# Altium PCB PCB2.PcbDoc (part 7 of 16)
Units mil, origin at the board's own origin, x right, y up, seen from the top; angles counter-clockwise.
Board outline 9200.79 x 4350.6 mil, 4 copper layers (Top Layer, Layer 1, Layer 2, Bottom Layer), stack 23.756 mil thick; 1249 components, 1355 nets, 4549 pads, 1316 vias.
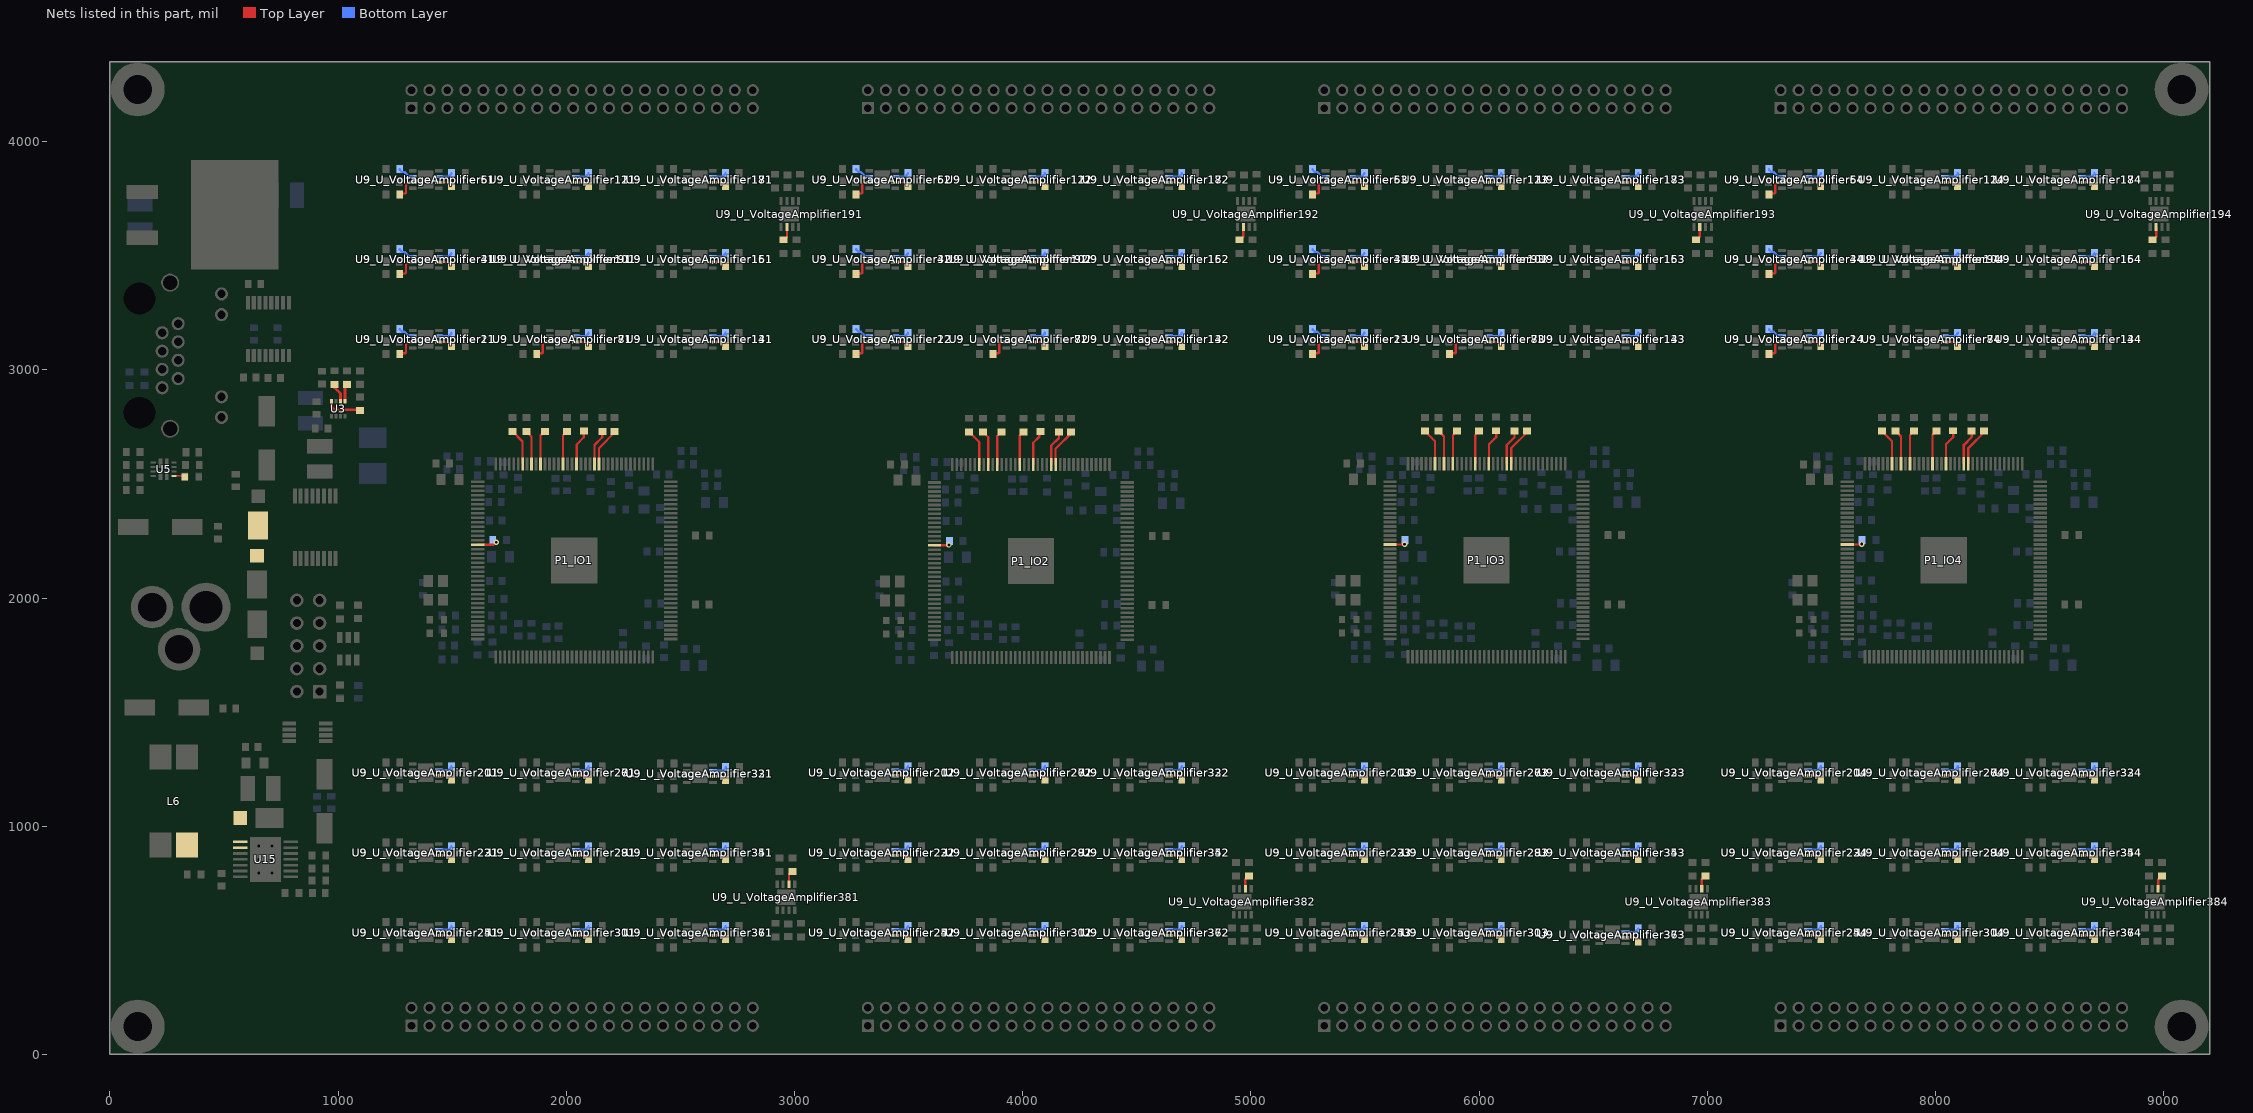
[diagram p9: the nets of this part, all layers, seen from the top]

## Via types
v1: diameter 24, hole 12, Top Layer to Bottom Layer, 1316 vias

## Nets (pads, with @x,y where several pads share a name; then routed paths per layer and width w, separated by ;. In a path a pad name is that pad's centre, name@x,y a point inside that pad or via, vN(x,y) a via of type N, cw(c..) or ccw(c..) an arc to the next point about the centre after c; other vN are vias at no path point) (continued)
NetD3_2: D3.2 U5.9 | length 47.8
  Top Layer w7: U5.9@280.66,2535.26 325.14,2535.26 D3.2@327.49,2537.61
NetD4_1: D4.1 D5.2
NetD7_2: D7.2 L6.2 U15.1 U15.2
NetP1_IO1_15: P1_IO1.15 R1_IO1.2 | length 85.1
  Top Layer w10: P1_IO1.15@1611.97,2233.43 1679.81,2233.43 1690.45,2244.07 v1(1692.67,2244.07)
NetP1_IO1_121: P1_IO1.121 R7_IO1.2 | length 174.1
  Top Layer w10: P1_IO1.121@2143,2587.29 2143,2656.32 2216.96,2730.29 R7_IO1.2@2217.46,2730.29
NetP1_IO1_122: P1_IO1.122 R6_IO1.2 | length 157.1
  Top Layer w10: P1_IO1.122@2123.31,2587.29 2123.31,2670 2157.46,2704.15 R6_IO1.2@2157.46,2730.29
NetP1_IO1_126: P1_IO1.126 R13_IO1.2 | length 158.2
  Top Layer w10: P1_IO1.126@2044.57,2587.29 2045.27,2587.99 2045.27,2672.88 2076.46,2704.07 R13_IO1.2@2076.46,2732.29
NetP1_IO1_129: P1_IO1.129 R5_IO1.2 | length 150
  Top Layer w10: P1_IO1.129@1985.51,2587.29 1985.51,2713.35 R5_IO1.2@2002.46,2730.29
NetP1_IO1_134: P1_IO1.134 R4_IO1.2 | length 150.6
  Top Layer w10: P1_IO1.134@1887.09,2587.29 1887.09,2711.92 R4_IO1.2@1905.46,2730.29
NetP1_IO1_136: P1_IO1.136 R3_IO1.2 | length 152.6
  Top Layer w10: R3_IO1.2@1824.46,2730.29 1847.72,2707.03 P1_IO1.136@1847.72,2587.29
NetP1_IO1_138: P1_IO1.138 R2_IO1.2 | length 161.2
  Top Layer w10: R2_IO1.2@1764.46,2730.29 1808.35,2686.4 P1_IO1.138@1808.35,2587.29
NetP1_IO2_15: P1_IO2.15 R1_IO2.2 | length 64.2
  Top Layer w10: P1_IO2.15@3613.07,2230.83 3674.81,2230.83 v1(3676.56,2232.58)
NetP1_IO2_121: P1_IO2.121 R7_IO2.2 | length 174.1
  Top Layer w10: P1_IO2.121@4144.1,2584.69 4144.1,2653.72 4218.06,2727.69 R7_IO2.2@4218.56,2727.69
NetP1_IO2_122: P1_IO2.122 R6_IO2.2 | length 157.1
  Top Layer w10: P1_IO2.122@4124.41,2584.69 4124.41,2667.4 4158.56,2701.55 R6_IO2.2@4158.56,2727.69
NetP1_IO2_126: P1_IO2.126 R13_IO2.2 | length 158.2
  Top Layer w10: P1_IO2.126@4045.67,2584.69 4046.37,2585.39 4046.37,2680.1 4071.82,2705.55 4071.82,2723.95 R13_IO2.2@4077.56,2729.69
NetP1_IO2_129: P1_IO2.129 R5_IO2.2 | length 150
  Top Layer w10: P1_IO2.129@3986.61,2584.69 3986.61,2710.75 R5_IO2.2@4003.56,2727.69
NetP1_IO2_134: P1_IO2.134 R4_IO2.2 | length 150.6
  Top Layer w10: P1_IO2.134@3888.19,2584.69 3888.19,2709.32 R4_IO2.2@3906.56,2727.69
NetP1_IO2_136: P1_IO2.136 R3_IO2.2 | length 152.6
  Top Layer w10: R3_IO2.2@3825.56,2727.69 3848.82,2704.43 P1_IO2.136@3848.82,2584.69
NetP1_IO2_138: P1_IO2.138 R2_IO2.2 | length 161.2
  Top Layer w10: R2_IO2.2@3765.56,2727.69 3809.45,2683.8 P1_IO2.138@3809.45,2584.69
NetP1_IO3_15: P1_IO3.15 R1_IO3.2 | length 64.2
  Top Layer w10: P1_IO3.15@5609.97,2234.28 5671.71,2234.28 v1(5673.46,2236.03)
NetP1_IO3_121: P1_IO3.121 R7_IO3.2 | length 174.1
  Top Layer w10: P1_IO3.121@6141,2588.14 6141,2657.17 6214.96,2731.14 R7_IO3.2@6215.46,2731.14
NetP1_IO3_122: P1_IO3.122 R6_IO3.2 | length 157.1
  Top Layer w10: P1_IO3.122@6121.31,2588.14 6121.31,2670.85 6155.46,2705 R6_IO3.2@6155.46,2731.14
NetP1_IO3_126: P1_IO3.126 R13_IO3.2 | length 158.2
  Top Layer w10: P1_IO3.126@6042.57,2588.14 6043.27,2588.84 6043.27,2673.73 6074.46,2704.92 R13_IO3.2@6074.46,2733.14
NetP1_IO3_129: P1_IO3.129 R5_IO3.2 | length 150
  Top Layer w10: P1_IO3.129@5983.51,2588.14 5983.51,2714.2 R5_IO3.2@6000.46,2731.14
NetP1_IO3_134: P1_IO3.134 R4_IO3.2 | length 150.6
  Top Layer w10: P1_IO3.134@5885.09,2588.14 5885.09,2712.77 R4_IO3.2@5903.46,2731.14
NetP1_IO3_136: P1_IO3.136 R3_IO3.2 | length 152.6
  Top Layer w10: R3_IO3.2@5822.46,2731.14 5845.72,2707.88 P1_IO3.136@5845.72,2588.14
NetP1_IO3_138: P1_IO3.138 R2_IO3.2 | length 161.2
  Top Layer w10: R2_IO3.2@5762.46,2731.14 5806.35,2687.25 P1_IO3.138@5806.35,2588.14
NetP1_IO4_15: P1_IO4.15 R1_IO4.2 | length 64.2
  Top Layer w10: P1_IO4.15@7612.97,2234.43 7674.71,2234.43 v1(7676.46,2236.18)
NetP1_IO4_121: P1_IO4.121 R7_IO4.2 | length 174.1
  Top Layer w10: P1_IO4.121@8144,2588.29 8144,2657.32 8217.96,2731.29 R7_IO4.2@8218.46,2731.29
NetP1_IO4_122: P1_IO4.122 R6_IO4.2 | length 157.1
  Top Layer w10: P1_IO4.122@8124.31,2588.29 8124.31,2671 8158.46,2705.15 R6_IO4.2@8158.46,2731.29
NetP1_IO4_126: P1_IO4.126 R13_IO4.2 | length 158.2
  Top Layer w10: P1_IO4.126@8045.57,2588.29 8046.27,2588.99 8046.27,2673.88 8077.46,2705.07 R13_IO4.2@8077.46,2733.29
NetP1_IO4_129: P1_IO4.129 R5_IO4.2 | length 150
  Top Layer w10: P1_IO4.129@7986.51,2588.29 7986.51,2714.35 R5_IO4.2@8003.46,2731.29
NetP1_IO4_134: P1_IO4.134 R4_IO4.2 | length 150.6
  Top Layer w10: P1_IO4.134@7888.09,2588.29 7888.09,2712.92 R4_IO4.2@7906.46,2731.29
NetP1_IO4_136: P1_IO4.136 R3_IO4.2 | length 152.6
  Top Layer w10: R3_IO4.2@7825.46,2731.29 7848.72,2708.03 P1_IO4.136@7848.72,2588.29
NetP1_IO4_138: P1_IO4.138 R2_IO4.2 | length 161.2
  Top Layer w10: R2_IO4.2@7765.46,2731.29 7809.35,2687.4 P1_IO4.138@7809.35,2588.29
NetR15_1: R15.1 U3.6 | length 84.2
  Top Layer w12: R15.1@984.15,2935.99 984.15,2921.92 1010.67,2895.39 U3.6@1010.67,2862.77
NetR16_1: R16.1 U3.5 | length 76.9
  Top Layer w12: U3.5@1030.36,2862.77 1030.36,2927.09 R16.1@1039.26,2935.99
NetR17_2: R17.2 U3.8 | length 155.6
  Top Layer w12: U3.8@971.3,2862.77 971.26,2862.73 971.26,2837.83 983.72,2825.37 1091.08,2825.37 R17.2@1095.06,2821.39
NetR26_U_VoltageAmplifier11_2: R26_U_VoltageAmplifier11.2 U9_U_VoltageAmplifier11.2 | length 63.9
  Top Layer w10: U9_U_VoltageAmplifier11.2@1441.26,3121.18 1483.59,3121.18 1497.09,3107.68 R26_U_VoltageAmplifier11.2@1497.09,3105.18
NetR26_U_VoltageAmplifier12_2: R26_U_VoltageAmplifier12.2 U9_U_VoltageAmplifier12.2 | length 63.9
  Top Layer w10: U9_U_VoltageAmplifier12.2@3441.26,3121.18 3483.59,3121.18 3497.09,3107.68 R26_U_VoltageAmplifier12.2@3497.09,3105.18
NetR26_U_VoltageAmplifier13_2: R26_U_VoltageAmplifier13.2 U9_U_VoltageAmplifier13.2 | length 63.9
  Top Layer w10: U9_U_VoltageAmplifier13.2@5441.26,3121.18 5483.59,3121.18 5497.09,3107.68 R26_U_VoltageAmplifier13.2@5497.09,3105.18
NetR26_U_VoltageAmplifier14_2: R26_U_VoltageAmplifier14.2 U9_U_VoltageAmplifier14.2 | length 63.9
  Top Layer w10: U9_U_VoltageAmplifier14.2@7441.26,3121.18 7483.59,3121.18 7497.09,3107.68 R26_U_VoltageAmplifier14.2@7497.09,3105.18
NetR26_U_VoltageAmplifier21_2: R26_U_VoltageAmplifier21.2 U9_U_VoltageAmplifier21.2 | length 63.7
  Bottom Layer w10: U9_U_VoltageAmplifier21.2@1441.26,3146.77 1484.18,3146.77 1497.09,3159.68 R26_U_VoltageAmplifier21.2@1497.09,3162.18
NetR26_U_VoltageAmplifier22_2: R26_U_VoltageAmplifier22.2 U9_U_VoltageAmplifier22.2 | length 63.7
  Bottom Layer w10: U9_U_VoltageAmplifier22.2@3441.26,3146.77 3484.18,3146.77 3497.09,3159.68 R26_U_VoltageAmplifier22.2@3497.09,3162.18
NetR26_U_VoltageAmplifier23_2: R26_U_VoltageAmplifier23.2 U9_U_VoltageAmplifier23.2 | length 63.7
  Bottom Layer w10: U9_U_VoltageAmplifier23.2@5441.26,3146.77 5484.18,3146.77 5497.09,3159.68 R26_U_VoltageAmplifier23.2@5497.09,3162.18
NetR26_U_VoltageAmplifier24_2: R26_U_VoltageAmplifier24.2 U9_U_VoltageAmplifier24.2 | length 63.7
  Bottom Layer w10: U9_U_VoltageAmplifier24.2@7441.26,3146.77 7484.18,3146.77 7497.09,3159.68 R26_U_VoltageAmplifier24.2@7497.09,3162.18
NetR26_U_VoltageAmplifier31_2: R26_U_VoltageAmplifier31.2 U9_U_VoltageAmplifier31.2 | length 63.9
  Top Layer w10: U9_U_VoltageAmplifier31.2@1441.26,3471.18 1483.59,3471.18 1497.09,3457.68 R26_U_VoltageAmplifier31.2@1497.09,3455.18
NetR26_U_VoltageAmplifier32_2: R26_U_VoltageAmplifier32.2 U9_U_VoltageAmplifier32.2 | length 63.9
  Top Layer w10: U9_U_VoltageAmplifier32.2@3441.26,3471.18 3483.59,3471.18 3497.09,3457.68 R26_U_VoltageAmplifier32.2@3497.09,3455.18
NetR26_U_VoltageAmplifier33_2: R26_U_VoltageAmplifier33.2 U9_U_VoltageAmplifier33.2 | length 63.9
  Top Layer w10: U9_U_VoltageAmplifier33.2@5441.26,3471.18 5483.59,3471.18 5497.09,3457.68 R26_U_VoltageAmplifier33.2@5497.09,3455.18
NetR26_U_VoltageAmplifier34_2: R26_U_VoltageAmplifier34.2 U9_U_VoltageAmplifier34.2 | length 63.9
  Top Layer w10: U9_U_VoltageAmplifier34.2@7441.26,3471.18 7483.59,3471.18 7497.09,3457.68 R26_U_VoltageAmplifier34.2@7497.09,3455.18
NetR26_U_VoltageAmplifier41_2: R26_U_VoltageAmplifier41.2 U9_U_VoltageAmplifier41.2 | length 63.7
  Bottom Layer w10: U9_U_VoltageAmplifier41.2@1441.26,3496.77 1484.18,3496.77 1497.09,3509.68 R26_U_VoltageAmplifier41.2@1497.09,3512.18
NetR26_U_VoltageAmplifier42_2: R26_U_VoltageAmplifier42.2 U9_U_VoltageAmplifier42.2 | length 63.7
  Bottom Layer w10: U9_U_VoltageAmplifier42.2@3441.26,3496.77 3484.18,3496.77 3497.09,3509.68 R26_U_VoltageAmplifier42.2@3497.09,3512.18
NetR26_U_VoltageAmplifier43_2: R26_U_VoltageAmplifier43.2 U9_U_VoltageAmplifier43.2 | length 63.7
  Bottom Layer w10: U9_U_VoltageAmplifier43.2@5441.26,3496.77 5484.18,3496.77 5497.09,3509.68 R26_U_VoltageAmplifier43.2@5497.09,3512.18
NetR26_U_VoltageAmplifier44_2: R26_U_VoltageAmplifier44.2 U9_U_VoltageAmplifier44.2 | length 63.7
  Bottom Layer w10: U9_U_VoltageAmplifier44.2@7441.26,3496.77 7484.18,3496.77 7497.09,3509.68 R26_U_VoltageAmplifier44.2@7497.09,3512.18
NetR26_U_VoltageAmplifier51_2: R26_U_VoltageAmplifier51.2 U9_U_VoltageAmplifier51.2 | length 63.9
  Top Layer w10: U9_U_VoltageAmplifier51.2@1441.26,3821.18 1483.59,3821.18 1497.09,3807.68 R26_U_VoltageAmplifier51.2@1497.09,3805.18
NetR26_U_VoltageAmplifier52_2: R26_U_VoltageAmplifier52.2 U9_U_VoltageAmplifier52.2 | length 63.9
  Top Layer w10: U9_U_VoltageAmplifier52.2@3441.26,3821.18 3483.59,3821.18 3497.09,3807.68 R26_U_VoltageAmplifier52.2@3497.09,3805.18
NetR26_U_VoltageAmplifier53_2: R26_U_VoltageAmplifier53.2 U9_U_VoltageAmplifier53.2 | length 63.9
  Top Layer w10: U9_U_VoltageAmplifier53.2@5441.26,3821.18 5483.59,3821.18 5497.09,3807.68 R26_U_VoltageAmplifier53.2@5497.09,3805.18
NetR26_U_VoltageAmplifier54_2: R26_U_VoltageAmplifier54.2 U9_U_VoltageAmplifier54.2 | length 63.9
  Top Layer w10: U9_U_VoltageAmplifier54.2@7441.26,3821.18 7483.59,3821.18 7497.09,3807.68 R26_U_VoltageAmplifier54.2@7497.09,3805.18
NetR26_U_VoltageAmplifier61_2: R26_U_VoltageAmplifier61.2 U9_U_VoltageAmplifier61.2 | length 63.7
  Bottom Layer w10: U9_U_VoltageAmplifier61.2@1441.26,3846.77 1484.18,3846.77 1497.09,3859.68 R26_U_VoltageAmplifier61.2@1497.09,3862.18
NetR26_U_VoltageAmplifier62_2: R26_U_VoltageAmplifier62.2 U9_U_VoltageAmplifier62.2 | length 63.7
  Bottom Layer w10: U9_U_VoltageAmplifier62.2@3441.26,3846.77 3484.18,3846.77 3497.09,3859.68 R26_U_VoltageAmplifier62.2@3497.09,3862.18
NetR26_U_VoltageAmplifier63_2: R26_U_VoltageAmplifier63.2 U9_U_VoltageAmplifier63.2 | length 63.7
  Bottom Layer w10: U9_U_VoltageAmplifier63.2@5441.26,3846.77 5484.18,3846.77 5497.09,3859.68 R26_U_VoltageAmplifier63.2@5497.09,3862.18
NetR26_U_VoltageAmplifier64_2: R26_U_VoltageAmplifier64.2 U9_U_VoltageAmplifier64.2 | length 63.7
  Bottom Layer w10: U9_U_VoltageAmplifier64.2@7441.26,3846.77 7484.18,3846.77 7497.09,3859.68 R26_U_VoltageAmplifier64.2@7497.09,3862.18
NetR26_U_VoltageAmplifier71_2: R26_U_VoltageAmplifier71.2 U9_U_VoltageAmplifier71.2 | length 63.9
  Top Layer w10: U9_U_VoltageAmplifier71.2@2041.26,3121.18 2083.59,3121.18 2097.09,3107.68 R26_U_VoltageAmplifier71.2@2097.09,3105.18
NetR26_U_VoltageAmplifier72_2: R26_U_VoltageAmplifier72.2 U9_U_VoltageAmplifier72.2 | length 63.9
  Top Layer w10: U9_U_VoltageAmplifier72.2@4041.26,3121.18 4083.59,3121.18 4097.09,3107.68 R26_U_VoltageAmplifier72.2@4097.09,3105.18
NetR26_U_VoltageAmplifier73_2: R26_U_VoltageAmplifier73.2 U9_U_VoltageAmplifier73.2 | length 63.9
  Top Layer w10: U9_U_VoltageAmplifier73.2@6041.26,3121.18 6083.59,3121.18 6097.09,3107.68 R26_U_VoltageAmplifier73.2@6097.09,3105.18
NetR26_U_VoltageAmplifier74_2: R26_U_VoltageAmplifier74.2 U9_U_VoltageAmplifier74.2 | length 63.9
  Top Layer w10: U9_U_VoltageAmplifier74.2@8041.26,3121.18 8083.59,3121.18 8097.09,3107.68 R26_U_VoltageAmplifier74.2@8097.09,3105.18
NetR26_U_VoltageAmplifier81_2: R26_U_VoltageAmplifier81.2 U9_U_VoltageAmplifier81.2 | length 63.7
  Bottom Layer w10: U9_U_VoltageAmplifier81.2@2041.26,3146.77 2084.18,3146.77 2097.09,3159.68 R26_U_VoltageAmplifier81.2@2097.09,3162.18
NetR26_U_VoltageAmplifier82_2: R26_U_VoltageAmplifier82.2 U9_U_VoltageAmplifier82.2 | length 63.7
  Bottom Layer w10: U9_U_VoltageAmplifier82.2@4041.26,3146.77 4084.18,3146.77 4097.09,3159.68 R26_U_VoltageAmplifier82.2@4097.09,3162.18
NetR26_U_VoltageAmplifier83_2: R26_U_VoltageAmplifier83.2 U9_U_VoltageAmplifier83.2 | length 63.7
  Bottom Layer w10: U9_U_VoltageAmplifier83.2@6041.26,3146.77 6084.18,3146.77 6097.09,3159.68 R26_U_VoltageAmplifier83.2@6097.09,3162.18
NetR26_U_VoltageAmplifier84_2: R26_U_VoltageAmplifier84.2 U9_U_VoltageAmplifier84.2 | length 63.7
  Bottom Layer w10: U9_U_VoltageAmplifier84.2@8041.26,3146.77 8084.18,3146.77 8097.09,3159.68 R26_U_VoltageAmplifier84.2@8097.09,3162.18
NetR26_U_VoltageAmplifier91_2: R26_U_VoltageAmplifier91.2 U9_U_VoltageAmplifier91.2 | length 63.9
  Top Layer w10: U9_U_VoltageAmplifier91.2@2041.26,3471.18 2083.59,3471.18 2097.09,3457.68 R26_U_VoltageAmplifier91.2@2097.09,3455.18
NetR26_U_VoltageAmplifier92_2: R26_U_VoltageAmplifier92.2 U9_U_VoltageAmplifier92.2 | length 63.9
  Top Layer w10: U9_U_VoltageAmplifier92.2@4041.26,3471.18 4083.59,3471.18 4097.09,3457.68 R26_U_VoltageAmplifier92.2@4097.09,3455.18
NetR26_U_VoltageAmplifier93_2: R26_U_VoltageAmplifier93.2 U9_U_VoltageAmplifier93.2 | length 63.9
  Top Layer w10: U9_U_VoltageAmplifier93.2@6041.26,3471.18 6083.59,3471.18 6097.09,3457.68 R26_U_VoltageAmplifier93.2@6097.09,3455.18
NetR26_U_VoltageAmplifier94_2: R26_U_VoltageAmplifier94.2 U9_U_VoltageAmplifier94.2 | length 63.9
  Top Layer w10: U9_U_VoltageAmplifier94.2@8041.26,3471.18 8083.59,3471.18 8097.09,3457.68 R26_U_VoltageAmplifier94.2@8097.09,3455.18
NetR26_U_VoltageAmplifier101_2: R26_U_VoltageAmplifier101.2 U9_U_VoltageAmplifier101.2 | length 63.7
  Bottom Layer w10: U9_U_VoltageAmplifier101.2@2041.26,3496.77 2084.18,3496.77 2097.09,3509.68 R26_U_VoltageAmplifier101.2@2097.09,3512.18
NetR26_U_VoltageAmplifier102_2: R26_U_VoltageAmplifier102.2 U9_U_VoltageAmplifier102.2 | length 63.7
  Bottom Layer w10: U9_U_VoltageAmplifier102.2@4041.26,3496.77 4084.18,3496.77 4097.09,3509.68 R26_U_VoltageAmplifier102.2@4097.09,3512.18
NetR26_U_VoltageAmplifier103_2: R26_U_VoltageAmplifier103.2 U9_U_VoltageAmplifier103.2 | length 63.7
  Bottom Layer w10: U9_U_VoltageAmplifier103.2@6041.26,3496.77 6084.18,3496.77 6097.09,3509.68 R26_U_VoltageAmplifier103.2@6097.09,3512.18
NetR26_U_VoltageAmplifier104_2: R26_U_VoltageAmplifier104.2 U9_U_VoltageAmplifier104.2 | length 63.7
  Bottom Layer w10: U9_U_VoltageAmplifier104.2@8041.26,3496.77 8084.18,3496.77 8097.09,3509.68 R26_U_VoltageAmplifier104.2@8097.09,3512.18
NetR26_U_VoltageAmplifier111_2: R26_U_VoltageAmplifier111.2 U9_U_VoltageAmplifier111.2 | length 63.9
  Top Layer w10: U9_U_VoltageAmplifier111.2@2041.26,3821.18 2083.59,3821.18 2097.09,3807.68 R26_U_VoltageAmplifier111.2@2097.09,3805.18
NetR26_U_VoltageAmplifier112_2: R26_U_VoltageAmplifier112.2 U9_U_VoltageAmplifier112.2 | length 63.9
  Top Layer w10: U9_U_VoltageAmplifier112.2@4041.26,3821.18 4083.59,3821.18 4097.09,3807.68 R26_U_VoltageAmplifier112.2@4097.09,3805.18
NetR26_U_VoltageAmplifier113_2: R26_U_VoltageAmplifier113.2 U9_U_VoltageAmplifier113.2 | length 63.9
  Top Layer w10: U9_U_VoltageAmplifier113.2@6041.26,3821.18 6083.59,3821.18 6097.09,3807.68 R26_U_VoltageAmplifier113.2@6097.09,3805.18
NetR26_U_VoltageAmplifier114_2: R26_U_VoltageAmplifier114.2 U9_U_VoltageAmplifier114.2 | length 63.9
  Top Layer w10: U9_U_VoltageAmplifier114.2@8041.26,3821.18 8083.59,3821.18 8097.09,3807.68 R26_U_VoltageAmplifier114.2@8097.09,3805.18
NetR26_U_VoltageAmplifier121_2: R26_U_VoltageAmplifier121.2 U9_U_VoltageAmplifier121.2 | length 63.7
  Bottom Layer w10: U9_U_VoltageAmplifier121.2@2041.26,3846.77 2084.18,3846.77 2097.09,3859.68 R26_U_VoltageAmplifier121.2@2097.09,3862.18
NetR26_U_VoltageAmplifier122_2: R26_U_VoltageAmplifier122.2 U9_U_VoltageAmplifier122.2 | length 63.7
  Bottom Layer w10: U9_U_VoltageAmplifier122.2@4041.26,3846.77 4084.18,3846.77 4097.09,3859.68 R26_U_VoltageAmplifier122.2@4097.09,3862.18
NetR26_U_VoltageAmplifier123_2: R26_U_VoltageAmplifier123.2 U9_U_VoltageAmplifier123.2 | length 63.7
  Bottom Layer w10: U9_U_VoltageAmplifier123.2@6041.26,3846.77 6084.18,3846.77 6097.09,3859.68 R26_U_VoltageAmplifier123.2@6097.09,3862.18
NetR26_U_VoltageAmplifier124_2: R26_U_VoltageAmplifier124.2 U9_U_VoltageAmplifier124.2 | length 63.7
  Bottom Layer w10: U9_U_VoltageAmplifier124.2@8041.26,3846.77 8084.18,3846.77 8097.09,3859.68 R26_U_VoltageAmplifier124.2@8097.09,3862.18
NetR26_U_VoltageAmplifier131_2: R26_U_VoltageAmplifier131.2 U9_U_VoltageAmplifier131.2 | length 63.9
  Top Layer w10: U9_U_VoltageAmplifier131.2@2641.26,3121.18 2683.59,3121.18 2697.09,3107.68 R26_U_VoltageAmplifier131.2@2697.09,3105.18
NetR26_U_VoltageAmplifier132_2: R26_U_VoltageAmplifier132.2 U9_U_VoltageAmplifier132.2 | length 63.9
  Top Layer w10: U9_U_VoltageAmplifier132.2@4641.26,3121.18 4683.59,3121.18 4697.09,3107.68 R26_U_VoltageAmplifier132.2@4697.09,3105.18
NetR26_U_VoltageAmplifier133_2: R26_U_VoltageAmplifier133.2 U9_U_VoltageAmplifier133.2 | length 63.9
  Top Layer w10: U9_U_VoltageAmplifier133.2@6641.26,3121.18 6683.59,3121.18 6697.09,3107.68 R26_U_VoltageAmplifier133.2@6697.09,3105.18
NetR26_U_VoltageAmplifier134_2: R26_U_VoltageAmplifier134.2 U9_U_VoltageAmplifier134.2 | length 63.9
  Top Layer w10: U9_U_VoltageAmplifier134.2@8641.26,3121.18 8683.59,3121.18 8697.09,3107.68 R26_U_VoltageAmplifier134.2@8697.09,3105.18
NetR26_U_VoltageAmplifier141_2: R26_U_VoltageAmplifier141.2 U9_U_VoltageAmplifier141.2 | length 63.7
  Bottom Layer w10: U9_U_VoltageAmplifier141.2@2641.26,3146.77 2684.18,3146.77 2697.09,3159.68 R26_U_VoltageAmplifier141.2@2697.09,3162.18
NetR26_U_VoltageAmplifier142_2: R26_U_VoltageAmplifier142.2 U9_U_VoltageAmplifier142.2 | length 63.7
  Bottom Layer w10: U9_U_VoltageAmplifier142.2@4641.26,3146.77 4684.18,3146.77 4697.09,3159.68 R26_U_VoltageAmplifier142.2@4697.09,3162.18
NetR26_U_VoltageAmplifier143_2: R26_U_VoltageAmplifier143.2 U9_U_VoltageAmplifier143.2 | length 63.7
  Bottom Layer w10: U9_U_VoltageAmplifier143.2@6641.26,3146.77 6684.18,3146.77 6697.09,3159.68 R26_U_VoltageAmplifier143.2@6697.09,3162.18
NetR26_U_VoltageAmplifier144_2: R26_U_VoltageAmplifier144.2 U9_U_VoltageAmplifier144.2 | length 63.7
  Bottom Layer w10: U9_U_VoltageAmplifier144.2@8641.26,3146.77 8684.18,3146.77 8697.09,3159.68 R26_U_VoltageAmplifier144.2@8697.09,3162.18
NetR26_U_VoltageAmplifier151_2: R26_U_VoltageAmplifier151.2 U9_U_VoltageAmplifier151.2 | length 63.9
  Top Layer w10: U9_U_VoltageAmplifier151.2@2641.26,3471.18 2683.59,3471.18 2697.09,3457.68 R26_U_VoltageAmplifier151.2@2697.09,3455.18
NetR26_U_VoltageAmplifier152_2: R26_U_VoltageAmplifier152.2 U9_U_VoltageAmplifier152.2 | length 63.9
  Top Layer w10: U9_U_VoltageAmplifier152.2@4641.26,3471.18 4683.59,3471.18 4697.09,3457.68 R26_U_VoltageAmplifier152.2@4697.09,3455.18
NetR26_U_VoltageAmplifier153_2: R26_U_VoltageAmplifier153.2 U9_U_VoltageAmplifier153.2 | length 63.9
  Top Layer w10: U9_U_VoltageAmplifier153.2@6641.26,3471.18 6683.59,3471.18 6697.09,3457.68 R26_U_VoltageAmplifier153.2@6697.09,3455.18
NetR26_U_VoltageAmplifier154_2: R26_U_VoltageAmplifier154.2 U9_U_VoltageAmplifier154.2 | length 63.9
  Top Layer w10: U9_U_VoltageAmplifier154.2@8641.26,3471.18 8683.59,3471.18 8697.09,3457.68 R26_U_VoltageAmplifier154.2@8697.09,3455.18
NetR26_U_VoltageAmplifier161_2: R26_U_VoltageAmplifier161.2 U9_U_VoltageAmplifier161.2 | length 63.7
  Bottom Layer w10: U9_U_VoltageAmplifier161.2@2641.26,3496.77 2684.18,3496.77 2697.09,3509.68 R26_U_VoltageAmplifier161.2@2697.09,3512.18
NetR26_U_VoltageAmplifier162_2: R26_U_VoltageAmplifier162.2 U9_U_VoltageAmplifier162.2 | length 63.7
  Bottom Layer w10: U9_U_VoltageAmplifier162.2@4641.26,3496.77 4684.18,3496.77 4697.09,3509.68 R26_U_VoltageAmplifier162.2@4697.09,3512.18
NetR26_U_VoltageAmplifier163_2: R26_U_VoltageAmplifier163.2 U9_U_VoltageAmplifier163.2 | length 63.7
  Bottom Layer w10: U9_U_VoltageAmplifier163.2@6641.26,3496.77 6684.18,3496.77 6697.09,3509.68 R26_U_VoltageAmplifier163.2@6697.09,3512.18
NetR26_U_VoltageAmplifier164_2: R26_U_VoltageAmplifier164.2 U9_U_VoltageAmplifier164.2 | length 63.7
  Bottom Layer w10: U9_U_VoltageAmplifier164.2@8641.26,3496.77 8684.18,3496.77 8697.09,3509.68 R26_U_VoltageAmplifier164.2@8697.09,3512.18
NetR26_U_VoltageAmplifier171_2: R26_U_VoltageAmplifier171.2 U9_U_VoltageAmplifier171.2 | length 63.9
  Top Layer w10: U9_U_VoltageAmplifier171.2@2641.26,3821.18 2683.59,3821.18 2697.09,3807.68 R26_U_VoltageAmplifier171.2@2697.09,3805.18
NetR26_U_VoltageAmplifier172_2: R26_U_VoltageAmplifier172.2 U9_U_VoltageAmplifier172.2 | length 63.9
  Top Layer w10: U9_U_VoltageAmplifier172.2@4641.26,3821.18 4683.59,3821.18 4697.09,3807.68 R26_U_VoltageAmplifier172.2@4697.09,3805.18
NetR26_U_VoltageAmplifier173_2: R26_U_VoltageAmplifier173.2 U9_U_VoltageAmplifier173.2 | length 63.9
  Top Layer w10: U9_U_VoltageAmplifier173.2@6641.26,3821.18 6683.59,3821.18 6697.09,3807.68 R26_U_VoltageAmplifier173.2@6697.09,3805.18
NetR26_U_VoltageAmplifier174_2: R26_U_VoltageAmplifier174.2 U9_U_VoltageAmplifier174.2 | length 63.9
  Top Layer w10: U9_U_VoltageAmplifier174.2@8641.26,3821.18 8683.59,3821.18 8697.09,3807.68 R26_U_VoltageAmplifier174.2@8697.09,3805.18
NetR26_U_VoltageAmplifier181_2: R26_U_VoltageAmplifier181.2 U9_U_VoltageAmplifier181.2 | length 63.7
  Bottom Layer w10: U9_U_VoltageAmplifier181.2@2641.26,3846.77 2684.18,3846.77 2697.09,3859.68 R26_U_VoltageAmplifier181.2@2697.09,3862.18
NetR26_U_VoltageAmplifier182_2: R26_U_VoltageAmplifier182.2 U9_U_VoltageAmplifier182.2 | length 63.7